# KiCad board zone-controller.kicad_pcb (continued)
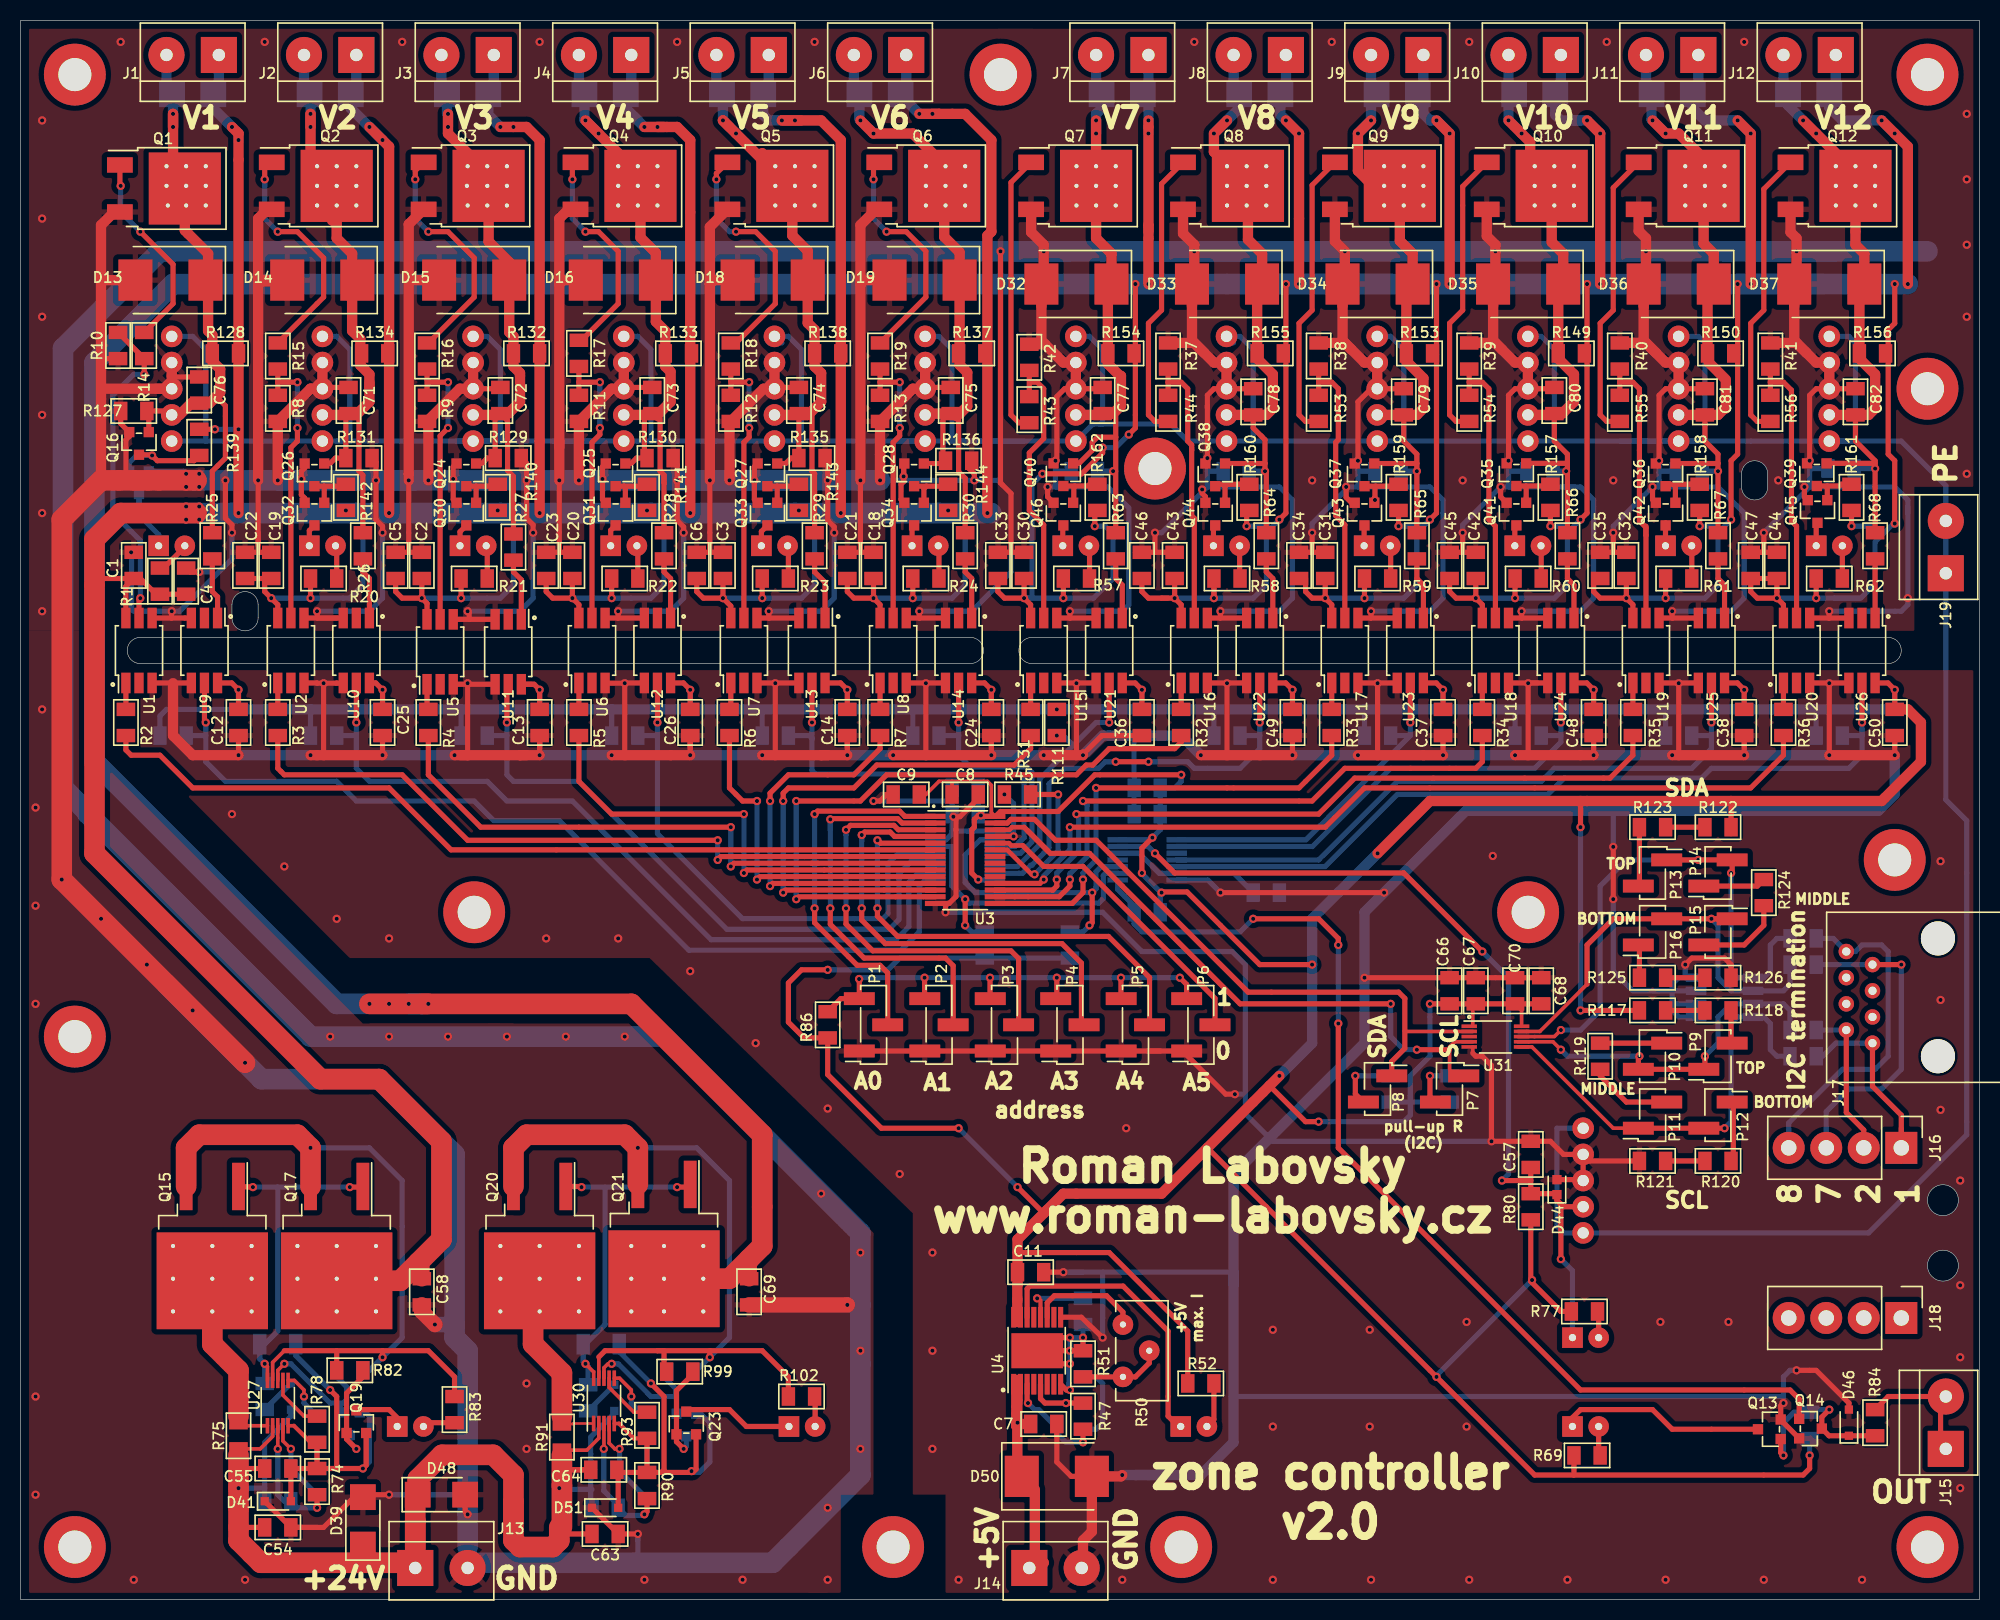
[diagram p0: board, top side]
## Placement (name value [footprint] x y rotation side) (continued)
SW9  -  [SMTS-102-2C2T]  131.59 117.47 90 bottom
SW10  -  [SMTS-102-2C2T]  146.21 117.47 90 bottom
SW11  -  [SMTS-102-2C2T]  160.82 117.47 90 bottom
SW12  -  [SMTS-102-2C2T]  175.44 117.47 90 bottom
SW13  -  [SMTS-102-2C2T]  151.56 40.64 90 bottom
U1  TLP2345  [so_6]  11.48 92.07 90 top
U2  TLP2345  [so_6]  26.21 92.07 90 top
U3  PCA9685PW  [tssop_28]  91.62 71.75 0 top
U4  TPS26600  [htssop_16_6.6mm×5.1mm]  98.61 24.13 90 top
U5  TLP2345  [so_6]  40.69 91.95 90 top
U6  TLP2345  [so_6]  55.42 92.07 90 top
U7  TLP2345  [so_6]  70.16 92.07 90 top
U8  TLP2345  [so_6]  84.64 92.07 90 top
U9  TLP2345  [so_6]  17.83 92.07 270 top
U10  TLP2345  [so_6]  32.56 92.07 270 top
U11  TLP2345  [so_6]  47.3 91.95 270 top
U12  TLP2345  [so_6]  61.77 92.07 270 top
U13  TLP2345  [so_6]  76.76 92.07 270 top
U14  TLP2345  [so_6]  90.98 92.07 270 top
U15  TLP2345  [so_6]  99.24 92.07 90 top
U16  TLP2345  [so_6]  113.84 92.07 90 top
U17  TLP2345  [so_6]  128.45 92.07 90 top
U18  TLP2345  [so_6]  143.06 92.07 90 top
U19  TLP2345  [so_6]  157.66 92.07 90 top
U20  TLP2345  [so_6]  172.26 92.07 90 top
U21  TLP2345  [so_6]  105.59 92.07 270 top
U22  TLP2345  [so_6]  120.2 92.07 270 top
U23  TLP2345  [so_6]  134.8 92.07 270 top
U24  TLP2345  [so_6]  149.4 92.07 270 top
U25  TLP2345  [so_6]  164.01 92.07 270 top
U26  TLP2345  [so_6]  178.61 92.07 270 top
U27  LM5069  [vssop_10]  24.95 19.05 90 top
U28  SN74HCS21QPWRQ1  [tssop_14]  91.62 71.75 0 bottom
U29  SN74HCS21QPWRQ1  [tssop_14]  109.27 71.75 180 bottom
U30  LM5069  [vssop_10]  56.58 19.26 90 top
U31  PCA9615  [tssop_10]  143.06 54.61 0 top
~  ~  [via_pad_0.4x0.8mm]  61.77 137.16 0 top
~#2  ~  [via_pad_0.4x0.8mm]  54.15 34.29 0 top
~#3  ~  [via_pad_0.4x0.8mm]  14.78 34.29 0 top
~#4  ~  [via_pad_0.4x0.8mm]  104.32 139.06 0 top
~#5  ~  [via_pad_0.4x0.8mm]  16.05 135.25 0 top
~#6  ~  [via_pad_0.4x0.8mm]  22.4 34.29 0 top
~#7  ~  [via_pad_0.4x0.8mm]  59.87 137.16 0 top
~#8  ~  [via_pad_0.4x0.8mm]  57.96 137.16 0 top
~#9  ~  [via_pad_0.4x0.8mm]  17.96 139.06 0 top
~#10  ~  [via_pad_0.4x0.8mm]  14.15 139.06 0 top
~#11  ~  [via_pad_0.4x0.8mm]  177.98 139.06 0 top
~#12  ~  [via_pad_0.4x0.8mm]  134.16 135.25 0 top
~#13  ~  [via_pad_0.4x0.8mm]  87.81 139.06 0 top
~#14  ~  [via_pad_0.4x0.8mm]  62.41 31.11 0 top
~#15  ~  [via_pad_0.4x0.8mm]  117.02 137.16 0 top
~#16  ~  [via_pad_0.4x0.8mm]  132.26 137.16 0 top
~#17  ~  [via_pad_0.4x0.8mm]  136.07 135.25 0 top
~#18  ~  [via_pad_0.4x0.8mm]  54.15 27.94 0 top
~#19  ~  [via_pad_0.4x0.8mm]  106.22 135.25 0 top
~#20  ~  [via_pad_0.4x0.8mm]  59.87 139.06 0 top
~#21  ~  [via_pad_0.4x0.8mm]  104.32 137.16 0 top
~#22  ~  [via_pad_0.4x0.8mm]  30.66 137.16 0 top
~#23  ~  [via_pad_0.4x0.8mm]  14.78 31.11 0 top
~#24  ~  [via_pad_0.4x0.8mm]  136.07 139.06 0 top
~#25  ~  [via_pad_0.4x0.8mm]  163.38 139.06 0 top
~#26  ~  [via_pad_0.4x0.8mm]  46.53 34.29 0 top
~#27  ~  [via_pad_0.4x0.8mm]  89.71 139.06 0 top
~#28  ~  [via_pad_0.4x0.8mm]  16.05 139.06 0 top
~#29  ~  [via_pad_0.4x0.8mm]  17.96 137.16 0 top
~#30  ~  [via_pad_0.4x0.8mm]  148.77 135.25 0 top
~#31  ~  [via_pad_0.4x0.8mm]  87.81 137.16 0 top
~#32  ~  [via_pad_0.4x0.8mm]  120.83 139.06 0 top
~#33  ~  [via_pad_0.4x0.8mm]  75.11 139.06 0 top
~#34  ~  [via_pad_0.4x0.8mm]  26.85 31.11 0 top
~#35  ~  [via_pad_0.4x0.8mm]  18.59 31.11 0 top
~#36  ~  [via_pad_0.4x0.8mm]  75.11 135.25 0 top
~#37  ~  [via_pad_0.4x0.8mm]  177.98 137.16 0 top
~#38  ~  [via_pad_0.4x0.8mm]  26.85 27.94 0 top
~#39  ~  [via_pad_0.4x0.8mm]  26.85 34.29 0 top
~#40  ~  [via_pad_0.4x0.8mm]  102.42 135.25 0 top
~#41  ~  [via_pad_0.4x0.8mm]  32.56 137.16 0 top
~#42  ~  [via_pad_0.4x0.8mm]  73.2 139.06 0 top
~#43  ~  [via_pad_0.4x0.8mm]  14.78 27.94 0 top
~#44  ~  [via_pad_0.4x0.8mm]  150.67 135.25 0 top
~#45  ~  [via_pad_0.4x0.8mm]  163.38 137.16 0 top
~#46  ~  [via_pad_0.4x0.8mm]  179.88 137.16 0 top
~#47  ~  [via_pad_0.4x0.8mm]  45.27 137.16 0 top
~#48  ~  [via_pad_0.4x0.8mm]  28.75 139.06 0 top
~#49  ~  [via_pad_0.4x0.8mm]  150.67 137.16 0 top
~#50  ~  [via_pad_0.4x0.8mm]  66.22 34.29 0 top
~#51  ~  [via_pad_0.4x0.8mm]  91.62 135.25 0 top
~#52  ~  [via_pad_0.4x0.8mm]  75.11 137.16 0 top
~#53  ~  [via_pad_0.4x0.8mm]  161.47 137.16 0 top
~#54  ~  [via_pad_0.4x0.8mm]  30.66 27.94 0 top
~#55  ~  [via_pad_0.4x0.8mm]  59.23 34.29 0 top
~#56  ~  [via_pad_0.4x0.8mm]  30.66 135.25 0 top
~#57  ~  [via_pad_0.4x0.8mm]  134.16 139.06 0 top
~#58  ~  [via_pad_0.4x0.8mm]  50.34 31.11 0 top
~#59  ~  [via_pad_0.4x0.8mm]  179.88 135.25 0 top
~#60  ~  [via_pad_0.4x0.8mm]  59.23 27.94 0 top
~#61  ~  [via_pad_0.4x0.8mm]  45.27 135.25 0 top
~#62  ~  [via_pad_0.4x0.8mm]  87.81 135.25 0 top
~#63  ~  [via_pad_0.4x0.8mm]  28.75 137.16 0 top
~#64  ~  [via_pad_0.4x0.8mm]  57.96 135.25 0 top
~#65  ~  [via_pad_0.4x0.8mm]  22.4 31.11 0 top
~#66  ~  [via_pad_0.4x0.8mm]  73.2 135.25 0 top
~#67  ~  [via_pad_0.4x0.8mm]  18.59 34.29 0 top
~#68  ~  [via_pad_0.4x0.8mm]  165.28 139.06 0 top
~#69  ~  [via_pad_0.4x0.8mm]  34.47 27.94 0 top
~#70  ~  [via_pad_0.4x0.8mm]  30.66 139.06 0 top
~#71  ~  [via_pad_0.4x0.8mm]  30.66 31.11 0 top
~#72  ~  [via_pad_0.4x0.8mm]  148.77 137.16 0 top
~#73  ~  [via_pad_0.4x0.8mm]  146.86 139.06 0 top
~#74  ~  [via_pad_0.4x0.8mm]  77.02 139.06 0 top
~#75  ~  [via_pad_0.4x0.8mm]  47.17 135.25 0 top
~#76  ~  [via_pad_0.4x0.8mm]  45.27 139.06 0 top
~#77  ~  [via_pad_0.4x0.8mm]  59.87 135.25 0 top
~#78  ~  [via_pad_0.4x0.8mm]  17.96 135.25 0 top
~#79  ~  [via_pad_0.4x0.8mm]  102.42 137.16 0 top
~#80  ~  [via_pad_0.4x0.8mm]  50.34 34.29 0 top
~#81  ~  [via_pad_0.4x0.8mm]  118.92 137.16 0 top
~#82  ~  [via_pad_0.4x0.8mm]  62.41 27.94 0 top
~#83  ~  [via_pad_0.4x0.8mm]  66.22 31.11 0 top
~#84  ~  [via_pad_0.4x0.8mm]  120.83 137.16 0 top
~#85  ~  [via_pad_0.4x0.8mm]  179.88 139.06 0 top
~#86  ~  [via_pad_0.4x0.8mm]  150.67 139.06 0 top
~#87  ~  [via_pad_0.4x0.8mm]  73.2 137.16 0 top
~#88  ~  [via_pad_0.4x0.8mm]  106.22 139.06 0 top
~#89  ~  [via_pad_0.4x0.8mm]  43.36 139.06 0 top
~#90  ~  [via_pad_0.4x0.8mm]  176.07 139.06 0 top
~#91  ~  [via_pad_0.4x0.8mm]  134.16 137.16 0 top
~#92  ~  [via_pad_0.4x0.8mm]  176.07 135.25 0 top
~#93  ~  [via_pad_0.4x0.8mm]  14.28 135.25 0 top
~#94  ~  [via_pad_0.4x0.8mm]  165.28 137.16 0 top
~#95  ~  [via_pad_0.4x0.8mm]  146.86 135.25 0 top
~#96  ~  [via_pad_0.4x0.8mm]  132.26 135.25 0 top
~#97  ~  [via_pad_0.4x0.8mm]  104.32 135.25 0 top
~#98  ~  [via_pad_0.4x0.8mm]  117.02 139.06 0 top
~#99  ~  [via_pad_0.4x0.8mm]  106.22 137.16 0 top
~#100  ~  [via_pad_0.4x0.8mm]  18.59 27.94 0 top
~#101  ~  [via_pad_0.4x0.8mm]  34.47 34.29 0 top
~#102  ~  [via_pad_0.4x0.8mm]  89.71 137.16 0 top
~#103  ~  [via_pad_0.4x0.8mm]  32.56 135.25 0 top
~#104  ~  [via_pad_0.4x0.8mm]  102.42 139.06 0 top
~#105  ~  [via_pad_0.4x0.8mm]  32.56 139.06 0 top
~#106  ~  [via_pad_0.4x0.8mm]  77.02 137.16 0 top
~#107  ~  [via_pad_0.4x0.8mm]  177.98 135.25 0 top
~#108  ~  [via_pad_0.4x0.8mm]  146.86 137.16 0 top
~#109  ~  [via_pad_0.4x0.8mm]  46.53 27.94 0 top
~#110  ~  [via_pad_0.4x0.8mm]  43.36 135.25 0 top
~#111  ~  [via_pad_0.4x0.8mm]  120.83 135.25 0 top
~#112  ~  [via_pad_0.4x0.8mm]  30.66 34.29 0 top
~#113  ~  [via_pad_0.4x0.8mm]  77.02 135.25 0 top
~#114  ~  [via_pad_0.4x0.8mm]  136.07 137.16 0 top
~#115  ~  [via_pad_0.4x0.8mm]  54.15 31.11 0 top
~#116  ~  [via_pad_0.4x0.8mm]  176.07 137.16 0 top
~#117  ~  [via_pad_0.4x0.8mm]  163.38 135.25 0 top
~#118  ~  [via_pad_0.4x0.8mm]  161.47 135.25 0 top
~#119  ~  [via_pad_0.4x0.8mm]  61.77 135.25 0 top
~#120  ~  [via_pad_0.4x0.8mm]  118.92 139.06 0 top
~#121  ~  [via_pad_0.4x0.8mm]  132.26 139.06 0 top
~#122  ~  [via_pad_0.4x0.8mm]  50.34 27.94 0 top
~#123  ~  [via_pad_0.4x0.8mm]  57.96 139.06 0 top
~#124  ~  [via_pad_0.4x0.8mm]  46.53 31.11 0 top
~#125  ~  [via_pad_0.4x0.8mm]  43.29 137.16 0 top
~#126  ~  [via_pad_0.4x0.8mm]  47.17 139.06 0 top
~#127  ~  [via_pad_0.4x0.8mm]  16.05 137.16 0 top
~#128  ~  [via_pad_0.4x0.8mm]  66.22 27.94 0 top
~#129  ~  [via_pad_0.4x0.8mm]  91.62 139.06 0 top
~#130  ~  [via_pad_0.4x0.8mm]  165.28 135.25 0 top
~#131  ~  [via_pad_0.4x0.8mm]  118.92 135.25 0 top
~#132  ~  [via_pad_0.4x0.8mm]  47.17 137.16 0 top
~#133  ~  [via_pad_0.4x0.8mm]  117.02 135.25 0 top
~#134  ~  [via_pad_0.4x0.8mm]  34.47 31.11 0 top
~#135  ~  [via_pad_0.4x0.8mm]  89.71 135.25 0 top
~#136  ~  [via_pad_0.4x0.8mm]  161.47 139.06 0 top
~#137  ~  [via_pad_0.4x0.8mm]  59.23 31.11 0 top
~#138  ~  [via_pad_0.4x0.8mm]  148.77 139.06 0 top
~#139  ~  [via_pad_0.4x0.8mm]  62.41 34.29 0 top
~#140  ~  [via_pad_0.4x0.8mm]  22.4 27.94 0 top
~#141  ~  [via_pad_0.4x0.8mm]  14.15 137.16 0 top
~#142  ~  [via_pad_0.4x0.8mm]  28.75 135.25 0 top
~#143  ~  [via_pad_0.4x0.8mm]  61.77 139.06 0 top
~#144  ~  [via_pad_0.4x0.8mm]  91.62 137.16 0 top

## Library data of the parts
C1-C82 = -: Description: Unpolarized capacitor. Size 1206.
D1 D8-D12 D26-D31 D38 D42 = -: Description: Light emitting diode. Green color. Cylindrical with flange type.
D2-D7 D20-D25 = -: Description: Schottky diode.
D13-D16 D18 D19 D32-D37 D44 D46 = -: Description: Unidirectional transil diode.
D17 D45 D54 = -: Description: Template. Light emitting diode. Red color. Cylindrical with flange type.
D39 D48 D50 = -: Description: Template. Bidirectional transil diode.
D40 D41 D49 D51 = -: Description: Rectifier diode. DC Components.
D43 D53 = -: Description: Templeate Zener diode
D52 = -: Description: Bi-directional ESD Protection for High-Speed Data Line.
H1-H13 = -: Description: Mounting hole with connection. Size 3.2x6 mm.
J1-J15 J19 = -: Description: Template. 1x2 screw terminal block.
J16 J18 = -: Description: IDC LSA connector 1x4
J17 = -: Description: Template. RJ45 connector, (8 positions 8 connected).
P1-P6 = -: Description: 1x3 pin header
P7-P16 = -: Description: Template. 1x2 pin header.
Q1-Q46 = -: Description: Mosfet n-channel.
R1-R49 R51-R162 = -: Description: Resistor. US symbol. Size 1206.
R50 = -: Description: Varaible resistor. US symbol.; Manufacturer: Vishay
SW1-SW13 = -: Description: Switch
U1 U2 U5-U26 = -: Description: Optocoupler TLP2345
U3 = -: Description: 16-channel 12-bit PWM Fm+ I2C-bus LED controller RGBA TSSOP
U4 = -: Description: eFuse with integrated reverse input polarity protection; Manufacturer: Texas Instruments
U27 U30 = -: Description: Positive High-Voltage Hot Swap and In-Rush Current Controller
U28 U29 = -: Description: Automotive dual 4-input AND gates with Schmitt-trigger inputs; Manufacturer: Texas Instruments
U31 = -: Description: 2-channel multipoint Fast-mode Plus differential I2C-bus buffer; Manufacturer: NXP Semiconductors

## Footprints (pads in the part's own frame, mm; a bottom-side part is the same pattern mirrored in y, then rotated)
1x2_pin_header_2.54mm_vertical
  rect 1.25x3 smd: 1(-1.27,1.375) 2(1.27,-1.375)
1x3_pin_header_2.54mm_vertical
  rect 1.25x3 smd: 1(-2.54,1.375) 2(0,-1.375) 3(2.54,1.375)
1x4_idc_lsa_connector_general
  rect 3.1x3.1 hole 1.5: 1(0,0)
  oval 3.1x3.1 hole 1.5: 2(0,-3.64) 3(0,-7.28) 4(0,-10.92)
54601-908WPLF
  round 3.3 hole 3.3 unplated: (-5.716,0) (5.716,0)
  round 1.5 hole 0.8: 1(-4.444,6.35) 2(-3.174,8.89) 3(-1.904,6.35) 4(-0.634,8.89) 5(0.636,6.35) 6(1.906,8.89) 7(3.176,6.35) 8(4.446,8.89)
c_1206
  trapezoid 1.3x1.8 smd: 1(-1.27,0) 2(1.27,0)
EBBA-02-C-SS-BU
  rect 3.5x3.5 hole 1.2: 1(-2.54,0)
  round 3.5 hole 1.2: 2(2.54,0)
htssop_16_6.6mm×5.1mm
  rect 0.88x1.05 smd: (-1.133,1.875) (-1.133,0.625) (-1.133,-0.625) (-1.133,-1.875) (0,1.875) (0,0.625) (0,-0.625) (0,-1.875) (1.133,1.875) (1.133,0.625) (1.133,-0.625) (1.133,-1.875)
  rect 2x0.5 smd: 1(-3.25,2.275) 2(-3.25,1.625) 3(-3.25,0.975) 4(-3.25,0.325) 5(-3.25,-0.325) 6(-3.25,-0.975) 7(-3.25,-1.625) 8(-3.25,-2.275) 9(3.25,-2.275) 10(3.25,-1.625) 11(3.25,-0.975) 12(3.25,-0.325) 13(3.25,0.325) 14(3.25,0.975) 15(3.25,1.625) 16(3.25,2.275)
  rect 3.4x5 smd: 17(0,0)
led_d5mm_2.54mm
  rect 2x2 hole 0.7: 1(-1.27,0)
  round 2 hole 0.7: 2(1.27,0)
minimelf_sod_80
  rect 1.3x2 smd: 1(-1.75,0) 2(1.75,0)
mounting_hole_pad_3.2x6mm
  round 6 hole 3.2: 1(0,0)
r_1206
  trapezoid 1.3x1.8 smd: 1(-1.27,0) 2(1.27,0)
sma
  rect 2.5x2.5 smd: 1(-2,0) 2(2,0)
smb
  rect 2.5x2.5 smd: 1(-2.3,0) 2(2.3,0)
smc
  rect 3.3x4 smd: 1(-3.4,0) 2(3.4,0)
SMTS-102-2C2T
  round 2.1 hole 1.1: 1(-5.08,0) 2(-2.54,0) 3(0,0) 4(2.54,0) 5(5.08,0)
so_6
  rect 2x0.9 smd: 1(-3.15,1.27) 2(-3.15,0) 3(-3.15,-1.27) 4(3.15,-1.27) 5(3.15,0) 6(3.15,1.27)
sod_323
  rect 0.8x0.8 smd: 1(-1.27,0) 2(1.27,0)
sod_523
  rect 0.9x0.9 smd: 1(-0.725,0) 2(0.725,0)
soic_8_3.9mmx4.9mm
  rect 2x0.8 smd: 1(-2.76,1.905) 2(-2.76,0.635) 3(-2.76,-0.635) 4(-2.76,-1.905) 5(2.76,-1.905) 6(2.76,-0.635) 7(2.76,0.635) 8(2.76,1.905)
sot_23
  rect 1x1 smd: 1(-1,0.95) 2(-1,-0.95) 3(1.2,0)
T93YB
  round 2 hole 0.6: 1(2.54,-1.841) 2(0,0.711) 3(-2.54,-1.841)
to_252_2
  rect 3.05x2.75 smd: (0.425,1.525) (0.425,-1.525) (3.775,1.525) (3.775,-1.525)
  rect 2.5x1.5 smd: 1(-4.2,2.28) 2(-4.2,-2.28)
  rect 7x7 smd: 3(2.1,0)
to_263_2
  rect 4.55x5.25 smd: (0.95,2.775) (0.95,-2.775) (5.8,2.775) (5.8,-2.775)
  rect 4.6x1.25 smd: 1(-5.775,2.54) 2(-5.775,-2.54)
  rect 9.4x10.8 smd: 3(3.375,0)
tssop_10
  rect 1.5x0.35 smd: 1(-2.54,1) 2(-2.54,0.5) 3(-2.54,0) 4(-2.54,-0.5) 5(-2.54,-1) 6(2.54,-1) 7(2.54,-0.5) 8(2.54,0) 9(2.54,0.5) 10(2.54,1)
tssop_14
  rect 2x0.5 smd: 1(-2.862,1.95) 2(-2.862,1.3) 3(-2.862,0.65) 4(-2.862,0) 5(-2.862,-0.65) 6(-2.862,-1.3) 8(2.862,-1.95) 9(2.862,-1.3) 10(2.862,-0.65) 11(2.862,0) 12(2.862,0.65) 13(2.862,1.3) 14(2.862,1.95)
  trapezoid 2x0.5 smd: 7(-2.862,-1.95)
tssop_28
  rect 2x0.5 smd: 1(-2.902,4.225) 2(-2.902,3.575) 3(-2.902,2.925) 4(-2.902,2.275) 5(-2.902,1.625) 6(-2.902,0.975) 7(-2.902,0.325) 8(-2.902,-0.325) 9(-2.902,-0.975) 10(-2.902,-1.625) 11(-2.902,-2.275) 12(-2.902,-2.925) 13(-2.902,-3.575) 14(-2.902,-4.225) 15(2.902,-4.225) 16(2.902,-3.575) 17(2.902,-2.925) 18(2.902,-2.275) 19(2.902,-1.625) 20(2.902,-0.975) 21(2.902,-0.325) 22(2.902,0.325) 23(2.902,0.975) 24(2.902,1.625) 25(2.902,2.275) 26(2.902,2.925) 27(2.902,3.575) 28(2.902,4.225)
via_pad_0.4x0.8mm
  round 0.8 hole 0.4: (0,0)
vssop_10
  rect 1.5x0.35 smd: 1(-2.2,1) 2(-2.2,0.5) 3(-2.2,0) 4(-2.2,-0.5) 5(-2.2,-1) 6(2.2,-1) 7(2.2,-0.5) 8(2.2,0) 9(2.2,0.5) 10(2.2,1)

## Nets
+5V: C8.1 C9.1 C11.1 C12.1 C13.1 C14.1 C15.1 C16.1 C17.1 C24.1 C25.1 C26.1 C27.1 C28.1 C29.1 C36.1 C37.1 C38.1 C39.1 C40.1 C41.1 C48.1 C49.1 C50.1 C51.1 C52.1 C53.1 C59.2 C60.2 C61.2 C62.2 C66.1 C67.1 C68.1 C70.1 R52.1 R69.1 R72.1 R77.1 R79.1 R80.1 R85.1 R86.1 R100.1 R101.1 R103.1 R104.1 R105.1 R106.1 R107.1 R108.1 R109.1 R110.1 R111.1 R112.1 R113.1 R114.1 R115.1 R116.1 R117.1 R122.1 U3.28 U4.15 U4.16 U9.6 U10.6 U11.6 U12.6 U13.6 U14.6 U21.6 U22.6 U23.6 U24.6 U25.6 U26.6 U28.14 U29.14 U31.1 U31.10
+24V_A: C1.1 C2.1 C3.1 C4.1 C5.1 C6.1 C18.1 C19.1 C20.1 C21.1 C22.1 C23.1 C58.1 D2.1 D3.1 D4.1 D5.1 D6.1 D7.1 J1.1 J2.1 J3.1 J4.1 J5.1 J6.1 Q17.3 R1.1 R20.1 R21.1 R22.1 R23.1 R24.1 R128.1 R132.1 R133.1 R134.1 R137.1 R138.1 R139.1 R140.1 R141.1 R142.1 R143.1 R144.1 U1.6 U2.6 U5.6 U6.6 U7.6 U8.6 ~#34. ~#38. ~#39. ~#54. ~#69. ~#71. ~#101. ~#112. ~#134.
+24V_B: C30.1 C31.1 C32.1 C33.1 C34.1 C35.1 C42.1 C43.1 C44.1 C45.1 C46.1 C47.1 C69.1 D20.1 D21.1 D22.1 D23.1 D24.1 D25.1 J7.1 J8.1 J9.1 J10.1 J11.1 J12.1 Q21.3 R57.1 R58.1 R59.1 R60.1 R61.1 R62.1 R149.1 R150.1 R153.1 R154.1 R155.1 R156.1 R157.1 R158.1 R159.1 R160.1 R161.1 R162.1 U15.6 U16.6 U17.6 U18.6 U19.6 U20.6 ~#14. ~#50. ~#55. ~#60. ~#82. ~#83. ~#128. ~#137. ~#139.
GND: C7.2 C8.2 C9.2 C11.2 C12.2 C13.2 C14.2 C15.2 C16.2 C17.2 C24.2 C25.2 C26.2 C27.2 C28.2 C29.2 C36.2 C37.2 C38.2 C39.2 C40.2 C41.2 C48.2 C49.2 C50.2 C51.2 C52.2 C53.2 C57.2 C59.1 C60.1 C61.1 C62.1 C66.2 C67.2 C68.2 C70.2 D44.2 D46.2 D50.2 D52.5 D52.6 D52.7 D52.8 J14.2 P1.1 P2.1 P3.1 P4.1 P5.1 P6.1 Q13.2 Q14.2 R45.2 R121.2 R126.2 SW13.3 SW13.4 U1.3 U2.3 U3.14 U3.25 U4.9 U5.3 U6.3 U7.3 U8.3 U9.4 U10.4 U11.4 U12.4 U13.4 U14.4 U15.3 U16.3 U17.3 U18.3 U19.3 U20.3 U21.4 U22.4 U23.4 U24.4 U25.4 U26.4 U28.7 U29.7 U31.5
GND1: C55.1 C56.2 D41.2 D43.2 Q18.2 Q19.2 R71.2 R74.2 R78.2 U27.5
GND2: C64.1 C65.2 D51.2 D53.2 Q22.2 Q23.2 R88.2 R90.2 R93.2 U30.5
GND_A: C1.2 C2.2 C3.2 C4.2 C5.2 C6.2 C18.2 C19.2 C20.2 C21.2 C22.2 C23.2 C30.2 C31.2 C32.2 C33.2 C34.2 C35.2 C42.2 C43.2 C44.2 C45.2 C46.2 C47.2 C54.2 C58.2 C63.2 C69.2 C71.1 C72.1 C73.1 C74.1 C75.1 C76.1 C77.1 C78.1 C79.1 C80.1 C81.1 C82.1 D13.2 D14.2 D15.2 D16.2 D18.2 D19.2 D32.2 D33.2 D34.2 D35.2 D36.2 D37.2 D39.2 D41.1 D48.2 D51.1 J13.2 Q1.2 Q2.2 Q3.2 Q4.2 Q5.2 Q6.2 Q7.2 Q8.2 Q9.2 Q10.2 Q11.2 Q12.2 Q16.2 Q24.2 Q25.2 Q26.2 Q27.2 Q28.2 Q29.2 Q30.2 Q31.2 Q32.2 Q33.2 Q34.2 Q35.2 Q36.2 Q37.2 Q38.2 Q39.2 Q40.2 Q41.2 Q42.2 Q43.2 Q44.2 Q45.2 Q46.2 R8.2 R9.2 R10.2 R11.2 R12.2 R13.2 R37.2 R38.2 R39.2 R40.2 R41.2 R42.2 R127.2 R129.2 R130.2 R131.2 R135.2 R136.2 R145.2 R146.2 R147.2 R148.2 R151.2 R152.2 SW1.3 SW1.4 SW2.3 SW2.4 SW3.3 SW3.4 SW4.3 SW4.4 SW5.3 SW5.4 SW6.3 SW6.4 SW7.3 SW7.4 SW8.3 SW8.4 SW9.3 SW9.4 SW10.3 SW10.4 SW11.3 SW11.4 SW12.3 SW12.4 U1.4 U2.4 U5.4 U6.4 U7.4 U8.4 U9.3 U10.3 U11.3 U12.3 U13.3 U14.3 U15.4 U16.4 U17.4 U18.4 U19.4 U20.4 U21.3 U22.3 U23.3 U24.3 U25.3 U26.3
/A0: P1.2 U3.1
/A1: P2.2 U3.2
/A2: P3.2 U3.3
/A3: P4.2 U3.4
/A4: P5.2 U3.5
/A5: P6.2 U3.24
/AND_OUT_0_3: R105.2 U28.6 U29.9
/AND_OUT_4_7: R109.2 U28.8 U29.10
/AND_OUT_8_11: R113.2 U29.6 U29.12
/AND_OUT_PUMP: Q14.1 R85.2 U29.8
/Differential I2C bus/DSCL_N: D52.4 P11.1 P12.2 R97.2 U31.6
/Differential I2C bus/DSCL_N_CON: J16.1 J17.1 R97.1
/Differential I2C bus/DSCL_P: D52.3 P9.1 P10.2 R96.2 U31.7
/Differential I2C bus/DSCL_P_CON: J16.2 J17.2 R96.1
/Differential I2C bus/DSDA_N: D52.2 P15.1 P16.2 R95.2 U31.9
/Differential I2C bus/DSDA_N_CON: J16.3 J17.7 R95.1
/Differential I2C bus/DSDA_P: D52.1 P13.1 P14.2 R94.2 U31.8
/Differential I2C bus/DSDA_P_CON: J16.4 J17.8 R94.1
/Power supply/INPUT_24V: C54.1 C55.2 C63.1 C64.2 D39.1 D40.1 D48.1 D49.1 J13.1 R70.1 R73.1 R75.2 R87.1 R89.1 R91.2 U27.2 U30.2
/PUMP_ACTIVE_0: D46.1 Q13.1 Q14.3 R72.2 R84.2
/PUMP_SWITCH: C57.1 D42.1 D44.1 R80.2 SW13.2 U29.13
Earth_Protective: J19.1 J19.2 SW1.1 SW1.5 SW2.1 SW2.5 SW3.1 SW3.5 SW4.1 SW4.5 SW5.1 SW5.5 SW6.1 SW6.5 SW7.1 SW7.5 SW8.1 SW8.5 SW9.1 SW9.5 SW10.1 SW10.5 SW11.1 SW11.5 SW12.1 SW12.5 SW13.1 SW13.5
LED0_IN: R2.2 U3.6
LED0_IN_24V: R10.1 R14.2 U1.5
LED0_OUT_5V: R79.2 U9.5 U28.1
LED0_OUT_24V: C76.2 D2.2 D13.1 J1.2 Q1.3 Q16.1 R25.2 R127.1 R128.2 SW1.2 ~#5. ~#9. ~#10. ~#28. ~#29. ~#78. ~#93. ~#127. ~#141.
LED1_IN: R3.2 U3.7
LED1_IN_24V: R8.1 R15.2 U2.5
LED1_OUT_5V: R106.2 U10.5 U28.2
LED1_OUT_24V: C71.2 D3.2 D14.1 J2.2 Q2.3 Q26.1 R26.2 R131.1 R134.2 SW2.2 ~#22. ~#41. ~#48. ~#56. ~#63. ~#70. ~#103. ~#105. ~#142.
LED2_IN: R4.2 U3.8
LED2_IN_24V: R9.1 R16.2 U5.5
LED2_OUT_5V: R110.2 U11.5 U28.4
LED2_OUT_24V: C72.2 D4.2 D15.1 J3.2 Q3.3 Q24.1 R27.2 R129.1 R132.2 SW3.2 ~#47. ~#61. ~#75. ~#76. ~#89. ~#110. ~#125. ~#126. ~#132.
LED3_IN: R5.2 U3.9
LED3_IN_24V: R11.1 R17.2 U6.5
LED3_OUT_5V: R114.2 U12.5 U28.5
LED3_OUT_24V: C73.2 D5.2 D16.1 J4.2 Q4.3 Q25.1 R28.2 R130.1 R133.2 SW4.2 ~. ~#7. ~#8. ~#20. ~#64. ~#77. ~#119. ~#123. ~#143.
LED4_IN: R6.2 U3.10
LED4_IN_24V: R12.1 R18.2 U7.5
LED4_OUT_5V: R103.2 U13.5 U28.9
LED4_OUT_24V: C74.2 D6.2 D18.1 J5.2 Q5.3 Q27.1 R29.2 R135.1 R138.2 SW5.2 ~#33. ~#36. ~#42. ~#52. ~#66. ~#74. ~#87. ~#106. ~#113.
LED5_IN: R7.2 U3.11
LED5_IN_24V: R13.1 R19.2 U8.5
LED5_OUT_5V: R107.2 U14.5 U28.10
LED5_OUT_24V: C75.2 D7.2 D19.1 J6.2 Q6.3 Q28.1 R30.2 R136.1 R137.2 SW6.2 ~#13. ~#27. ~#31. ~#51. ~#62. ~#102. ~#129. ~#135. ~#144.
LED6_IN: R31.2 U3.12
LED6_IN_24V: R42.1 R43.2 U15.5
LED6_OUT_5V: R111.2 U21.5 U28.12
LED6_OUT_24V: C77.2 D20.2 D32.1 J7.2 Q7.3 Q40.1 R63.2 R152.1 R154.2 SW7.2 ~#4. ~#19. ~#21. ~#40. ~#79. ~#88. ~#97. ~#99. ~#104.
LED7_IN: R32.2 U3.13
LED7_IN_24V: R37.1 R44.2 U16.5
LED7_OUT_5V: R115.2 U22.5 U28.13
LED7_OUT_24V: C78.2 D21.2 D33.1 J8.2 Q8.3 Q38.1 R64.2 R148.1 R155.2 SW8.2 ~#15. ~#32. ~#81. ~#84. ~#98. ~#111. ~#120. ~#131. ~#133.
LED8_IN: R33.2 U3.15
LED8_IN_24V: R38.1 R53.2 U17.5
LED8_OUT_5V: R104.2 U23.5 U29.1
LED8_OUT_24V: C79.2 D22.2 D34.1 J9.2 Q9.3 Q37.1 R65.2 R147.1 R153.2 SW9.2 ~#12. ~#16. ~#17. ~#24. ~#57. ~#91. ~#96. ~#114. ~#121.
LED9_IN: R34.2 U3.16
LED9_IN_24V: R39.1 R54.2 U18.5
LED9_OUT_5V: R108.2 U24.5 U29.2
LED9_OUT_24V: C80.2 D23.2 D35.1 J10.2 Q10.3 Q35.1 R66.2 R145.1 R149.2 SW10.2 ~#30. ~#44. ~#49. ~#72. ~#73. ~#86. ~#95. ~#108. ~#138.
LED10_IN: R35.2 U3.17
LED10_IN_24V: R40.1 R55.2 U19.5
LED10_OUT_5V: R112.2 U25.5 U29.4
LED10_OUT_24V: C81.2 D24.2 D36.1 J11.2 Q11.3 Q36.1 R67.2 R146.1 R150.2 SW11.2 ~#25. ~#45. ~#53. ~#68. ~#94. ~#117. ~#118. ~#130. ~#136.
LED11_IN: R36.2 U3.18
LED11_IN_24V: R41.1 R56.2 U20.5
LED11_OUT_5V: R116.2 U26.5 U29.5
LED11_OUT_24V: C82.2 D25.2 D37.1 J12.2 Q12.3 Q39.1 R68.2 R151.1 R156.2 SW12.2 ~#11. ~#37. ~#46. ~#59. ~#85. ~#90. ~#92. ~#107. ~#116.
SCL: P7.1 U3.26 U31.4
SDA: P8.1 U3.27 U31.2
Net-(D1-A): D1.2 R1.2
Net-(D1-K): D1.1 Q29.3
Net-(D8-A): D8.2 R20.2
Net-(D8-K): D8.1 Q32.3
Net-(D9-A): D9.2 R21.2
Net-(D9-K): D9.1 Q30.3
Net-(D10-A): D10.2 R22.2
Net-(D10-K): D10.1 Q31.3
Net-(D11-A): D11.2 R23.2
Net-(D11-K): D11.1 Q33.3
Net-(D12-A): D12.2 R24.2
Net-(D12-K): D12.1 Q34.3
Net-(D17-A): D17.2 R52.2
Net-(D17-K): D17.1 U4.14
Net-(D26-A): D26.2 R57.2
Net-(D26-K): D26.1 Q46.3
Net-(D27-A): D27.2 R58.2
Net-(D27-K): D27.1 Q44.3
Net-(D28-A): D28.2 R59.2
Net-(D28-K): D28.1 Q43.3
Net-(D29-A): D29.2 R60.2
Net-(D29-K): D29.1 Q41.3
Net-(D30-A): D30.2 R61.2
Net-(D30-K): D30.1 Q42.3
Net-(D31-A): D31.2 R62.2
Net-(D31-K): D31.1 Q45.3
Net-(D38-A): D38.2 R69.2
Net-(D38-K): D38.1 Q13.3
Net-(D40-A): D40.2 R76.2
Net-(D42-A): D42.2 R77.2
Net-(D43-K): D43.1 Q15.1 Q17.1 R76.1 U27.10
Net-(D45-A): D45.2 R83.2
Net-(D45-K): D45.1 Q19.3
Net-(D49-A): D49.2 R92.2
Net-(D50-A1): C7.1 D50.1 J14.1 R46.1 U4.1 U4.2
Net-(D53-K): D53.1 Q20.1 Q21.1 R92.1 U30.10
Net-(D54-A): D54.2 R102.2
Net-(D54-K): D54.1 Q23.3
Net-(J15-Pad1): J15.1 J15.2 R84.1
Net-(P1-Pad3): P1.3 P2.3 P3.3 P4.3 P5.3 P6.3 R86.2
Net-(P7-Pad2): P7.2 R100.2
Net-(P8-Pad2): P8.2 R101.2
Net-(P9-Pad2): P9.2 R118.2
Net-(P10-Pad1): P10.1 R119.1
Net-(P11-Pad2): P11.2 R119.2
Net-(P12-Pad1): P12.1 R120.1
Net-(P13-Pad2): P13.2 R123.2
Net-(P14-Pad1): P14.1 R124.1
Net-(P15-Pad2): P15.2 R124.2
Net-(P16-Pad1): P16.1 R125.1
Net-(Q1-G): Q1.1 R14.1
Net-(Q2-G): Q2.1 R15.1
Net-(Q3-G): Q3.1 R16.1
Net-(Q4-G): Q4.1 R17.1
Net-(Q5-G): Q5.1 R18.1
Net-(Q6-G): Q6.1 R19.1
Net-(Q7-G): Q7.1 R43.1
Net-(Q8-G): Q8.1 R44.1
Net-(Q9-G): Q9.1 R53.1
Net-(Q10-G): Q10.1 R54.1
Net-(Q11-G): Q11.1 R55.1
Net-(Q12-G): Q12.1 R56.1
Net-(Q15-D): Q15.3 R75.1 U27.1 ~#3. ~#6. ~#23. ~#35. ~#43. ~#65. ~#67. ~#100. ~#140.
Net-(Q15-S): Q15.2 Q17.2 R81.1 R82.1 R83.1 U27.9
Net-(Q16-D): Q16.3 Q29.1 R139.2
Net-(Q18-D): Q18.3 Q19.1 R82.2
Net-(Q18-G): Q18.1 R81.2 U27.8
Net-(Q20-D): Q20.3 R91.1 U30.1 ~#2. ~#18. ~#26. ~#58. ~#80. ~#109. ~#115. ~#122. ~#124.
Net-(Q20-S): Q20.2 Q21.2 R98.1 R99.1 R102.1 U30.9
Net-(Q22-D): Q22.3 Q23.1 R99.2
Net-(Q22-G): Q22.1 R98.2 U30.8
Net-(Q24-D): Q24.3 Q30.1 R140.2
Net-(Q25-D): Q25.3 Q31.1 R141.2
Net-(Q26-D): Q26.3 Q32.1 R142.2
Net-(Q27-D): Q27.3 Q33.1 R143.2
Net-(Q28-D): Q28.3 Q34.1 R144.2
Net-(Q35-D): Q35.3 Q41.1 R157.2
Net-(Q36-D): Q36.3 Q42.1 R158.2
Net-(Q37-D): Q37.3 Q43.1 R159.2
Net-(Q38-D): Q38.3 Q44.1 R160.2
Net-(Q39-D): Q39.3 Q45.1 R161.2
Net-(Q40-D): Q40.3 Q46.1 R162.2
Net-(R48-Pad2): R48.2 R49.1
Net-(R50-Pad1): R50.1 R50.2 R51.2
Net-(R117-Pad2): R117.2 R118.1
Net-(R120-Pad2): R120.2 R121.1
Net-(R122-Pad2): R122.2 R123.1
Net-(R125-Pad2): R125.2 R126.1
Net-(U1-A): R2.1 U1.1
Net-(U2-A): R3.1 U2.1
Net-(U3-~{OE}): R45.1 U3.23
Net-(U4-dVdT): C10.1 U4.12
Net-(U4-ILIM): R50.3 U4.11
Net-(U4-OVP): R47.2 R48.1 U4.5
Net-(U4-PowerPad): C10.2 R49.2 R51.1 U4.8 U4.17
Net-(U4-UVLO): R46.2 R47.1 U4.3
Net-(U5-A): R4.1 U5.1
Net-(U6-A): R5.1 U6.1
Net-(U7-A): R6.1 U7.1
Net-(U8-A): R7.1 U8.1
Net-(U9-A): R25.1 U9.1
Net-(U10-A): R26.1 U10.1
Net-(U11-A): R27.1 U11.1
Net-(U12-A): R28.1 U12.1
Net-(U13-A): R29.1 U13.1
Net-(U14-A): R30.1 U14.1
Net-(U15-A): R31.1 U15.1
Net-(U16-A): R32.1 U16.1
Net-(U17-A): R33.1 U17.1
Net-(U18-A): R34.1 U18.1
Net-(U19-A): R35.1 U19.1
Net-(U20-A): R36.1 U20.1
Net-(U21-A): R63.1 U21.1
Net-(U22-A): R64.1 U22.1
Net-(U23-A): R65.1 U23.1
Net-(U24-A): R66.1 U24.1
Net-(U25-A): R67.1 U25.1
Net-(U26-A): R68.1 U26.1
Net-(U27-OVLO): R70.2 R71.1 U27.4
Net-(U27-PWR): R78.1 U27.7
Net-(U27-TIMER): C56.1 U27.6
Net-(U27-UVLO/EN): R73.2 R74.1 U27.3
Net-(U30-OVLO): R87.2 R88.1 U30.4
Net-(U30-PWR): R93.1 U30.7
Net-(U30-TIMER): C65.1 U30.6
Net-(U30-UVLO/EN): R89.2 R90.1 U30.3

Pads without a net: H1 1; H2 1; H3 1; H4 1; H5 1; H6 1; H7 1; H8 1; H9 1; H10 1; H11 1; H12 1; H13 1; J17 3 4 5 6; J18 1 2 3 4; U1 2; U2 2; U3 19 20 21 22; U4 4 6 7 10 13; U5 2; U6 2; U7 2; U8 2; U9 2; U10 2; U11 2; U12 2; U13 2; U14 2; U15 2; U16 2; U17 2; U18 2; U19 2; U20 2; U21 2; U22 2; U23 2; U24 2; U25 2; U26 2; U28 3 11; U29 3 11; U31 3

## Via types
v1: diameter 0.8, hole 0.4, Top to Bottom, 520 vias

## Routing (per net, layer and track width the routed paths; a pad name or vN(x,y) marks a point on that pad's centre or on a via; arc(x,y) is an arc through that point)
+5V: length 899.2
  Top w0.25: 145.25,57.49 C70.1 ; 140.85,57.49 C67.1
  Top w0.35: 90.35,79.38 93.39,79.38 93.4,79.38 93.78,79.38 94.16,78.99 94.16,76.34 U3.28 ; 90.35,79.38 89.09,79.38 87.81,78.1 C9.1 ; 90.35,79.38 C8.1 ; U31.10 145.59,57.15 C70.1 ; 140.85,55.61 140.85,57.49
  Top w0.4: 96.7,33.27 96.7,31.75 ; U3.28 93.11,75.98
  Top w0.5: v1(112.58,80.01) 104.19,80.01 100.64,76.45 95.05,76.45 94.58,75.98 U3.28 93.3,75.98 ; C14.1 v1(80.19,88.26) 79.53,88.92 U13.6 ; 49.61,88.8 U11.6 49.81,88.8 v1(50.34,88.26) C13.1 ; v1(92.89,69.85) 92.25,70.48 92.25,74.68 92.51,74.93 92.51,75.69 92.89,76.07 v1(93.14,76.07) ; U21.6 108.11,88.92 v1(108.77,88.26) C36.1 ; U9.6 20.47,88.92 v1(21.14,88.26) C12.1 ; v1(108.77,70.48) 108.77,72.9 v1(109.78,73.91) ; 110.54,68.65 113.14,68.65 120.2,61.59 v1(125.27,61.59) ; 96.7,33.66 105.59,33.66 113.21,26.03 R52.1 ; 150.67,12.06 172.9,12.06 173.53,12.7 v1(173.53,13.97) ; 150.67,12.06 146.86,12.06 v1(137.34,21.59) 115.11,43.81 ; 150.67,12.06 R69.1 ; U26.6 181.13,88.92 v1(181.79,88.26) C50.1 ; C49.1 v1(123.37,88.26) 122.71,88.92 U22.6 ; v1(90.98,45.72) 83.49,45.72 78.28,50.93 R86.1 76,54.48 74.47,56.01 74.47,59.82 75.74,61.09 v1(78.28,61.09) ; U23.6 137.31,88.92 v1(137.97,88.26) C37.1 ; v1(125.91,46.35) 124.64,46.35 121.15,49.85 ; 148.13,57.78 C68.1 C70.1 C67.1 C66.1 v1(136.7,57.78) ; R117.1 v1(151.31,57.15) ; 165.91,74.29 165.91,77.47 ; U24.6 151.92,88.92 v1(152.58,88.26) C48.1 ; U12.6 64.29,88.92 v1(64.95,88.26) C26.1 ; C25.1 v1(35.11,88.26) 34.45,88.92 U10.6 ; 151.31,76.2 151.31,76.83 ; 151.31,76.2 v1(151.31,74.93) ; 151.31,76.2 151.31,77.47 ; C38.1 v1(167.19,88.26) 166.52,88.92 U25.6 ; v1(96.7,40) 99.24,37.47 ; C24.1 v1(94.16,88.26) 93.5,88.92 U14.6 ; R77.1 149.4,27.94 146.48,30.86 R80.1
  Top w1: 96.68,28.94 96.68,30.53 96.7,30.55 96.7,34.92 101.14,39.37 110.67,39.37 v1(122.1,50.8) ; C50.1 183.06,86.36 184.33,85.09 184.33,81.28 180.52,77.47 136.7,77.47 v1(131.62,72.39) ; 96.68,29.19 96.68,26.92
  Bottom w0.35: 92.93,69.8 v1(92.89,69.85)
  Bottom w0.5: 115.75,86.36 86.54,86.36 ; 115.75,86.36 119.56,86.36 ; 115.75,86.36 R115.1 ; 134.8,48.89 134.8,50.8 136.7,52.7 v1(136.7,57.78) ; 134.8,48.89 134.8,46.99 134.16,46.35 v1(125.91,46.35) ; 134.8,48.89 134.8,48.26 ; 119.56,86.36 120.83,86.36 ; 119.56,86.36 151.31,86.36 ; R101.1 134.8,48.26 ; 134.8,48.26 R100.1 ; 20.5,86.36 C25.1 ; C25.1 71.93,86.36 ; C25.1 v1(35.11,88.26) ; 174.17,83.82 174.17,86.36 ; C24.1 v1(94.16,88.26) ; v1(173.53,13.97) R72.1 173.92,15.62 ; R109.1 R105.1 85.27,62.23 84.13,61.09 v1(78.28,61.09) ; v1(64.95,88.26) C26.1 ; C49.1 v1(123.37,88.26) ; 71.93,86.36 82.09,86.36 ; 71.93,86.36 R103.1 ; U28.14 92.93,69.8 ; v1(151.31,74.93) v1(151.31,57.15) ; 86.54,83.82 86.54,86.36 ; 86.54,86.36 76.38,86.36 ; v1(137.34,21.59) 137.34,21.72 v1(146.61,30.99) ; R112.1 159.56,86.36 ; R79.1 13.52,85.72 14.15,86.36 C12.1 v1(21.14,88.26) ; C48.1 v1(152.58,88.26) ; R85.1 110.54,68.45 v1(110.67,68.58) ; R108.1 144.96,86.36 ; C37.1 v1(137.97,88.26) ; C50.1 v1(181.79,88.26) ; 108.74,70.46 110.54,68.65 110.54,67.94 ; 110.54,75.56 110.54,74.68 109.57,73.71 108.68,73.71 U29.14 ; 110.54,75.56 110.54,75.31 ; 110.54,75.56 110.54,78.1 110.67,78.23 ; C14.1 v1(80.19,88.26) ; C13.1 v1(50.34,88.26) ; R114.1 57.33,86.36 ; C60.2 111.94,78.74 112.58,79.38 v1(112.58,80.01) ; R106.1 28.12,86.36 ; C59.2 C61.2 92.89,75.56 ; v1(90.98,45.72) v1(96.7,40) ; R110.1 42.72,86.36 ; R104.1 130.36,86.36 ; R113.1 127.81,68.58 ; v1(108.77,88.26) C36.1 ; C38.1 v1(167.19,88.26)
  Bottom w1: C50.1 C12.1 ; v1(122.1,50.8) 125.27,53.97 v1(125.27,61.59) 125.27,66.04 v1(131.62,72.39)
  vias: v1(100.51,86.36)
+24V_A: length 642.7
  Top w0.5: C1.1 7.8,99.06 7.17,98.42 ; C1.1 11.61,99.06 13.13,97.54 R1.1 C4.1 ; C1.1 10.21,98.3 U1.6 ; R21.1 v1(42.72,97.15) ; v1(68.12,97.15) 66.22,97.15 65.58,97.79 C6.1 ; v1(68.12,97.15) C3.1 ; v1(68.12,97.15) 68.89,96.39 U7.6 ; U2.6 24.95,96.52 v1(24.31,97.15) 23.67,97.79 23.67,99.06 21.14,99.06 ; v1(38.92,97.15) 37.01,97.15 36.37,97.79 C5.1 ; v1(38.92,97.15) C2.1 ; v1(38.92,97.15) 39.42,96.65 U5.6 ; v1(82.73,97.15) 80.83,97.15 80.19,97.79 C21.1 ; v1(82.73,97.15) C18.1 ; v1(82.73,97.15) 83.36,96.52 U8.6 ; R23.1 v1(71.93,97.15) ; U6.6 54.15,96.52 v1(53.52,97.15) ; 86.54,99.06 v1(86.54,97.15) ; R20.1 v1(28.12,97.15) ; v1(53.52,97.15) 51.61,97.15 50.98,97.79 C23.1 ; v1(53.52,97.15) C20.1 ; 57.26,99.06 57.26,98.99 56.93,98.66 ; v1(18.85,113.54) R139.1 ; v1(57.33,97.15) R22.1
  Top w1: 18.59,149.86 18.59,149.22 ; 89.08,144.14 91.62,144.14 94.16,141.6 94.16,132.71 93.78,132.33 v1(93.78,105.41) ; 89.08,144.14 v1(88.45,144.14) ; 89.08,144.14 v1(87.17,144.14) ; 46.66,149.86 46.66,149.73 ; v1(79.55,105.41) 79.55,141.6 77.65,143.51 v1(73.84,143.51) 75.74,143.51 ; v1(61.77,142.88) 63.68,142.88 64.95,141.6 v1(64.95,105.41) ; v1(20.5,142.88) 21.14,142.24 v1(21.14,105.41) ; v1(50.34,105.41) 50.34,141.6 49.08,142.88 v1(47.8,142.88) v1(46.53,142.88) ; v1(60.5,142.88) 62.41,142.88 ; v1(35.74,105.41) 35.74,140.97 v1(35.11,141.6) v1(33.83,142.88)
  Top w1.5: C58.1 38.92,32.38
  Top w2: 17.07,105.41 9.7,105.41 7.17,102.87 7.17,72.39 29.07,50.48 34.79,50.48 40.82,44.45 40.82,34.92 36.81,30.91 Q17.3
  Bottom w0.5: 77.02,105.41 77.02,98.42 75.74,97.15 v1(68.12,97.15) ; 19.09,113.54 v1(21.14,113.54) ; v1(24.31,97.15) 31.93,97.15 33.2,98.42 33.2,104.77 ; v1(53.52,97.15) v1(57.33,97.15) 61.14,97.15 62.41,98.42 62.41,104.77 63.05,105.41 ; 90.98,105.41 91.62,104.77 91.62,98.42 90.35,97.15 v1(86.54,97.15) v1(82.73,97.15) ; v1(38.92,97.15) 46.53,97.15 47.8,98.42 47.8,104.77 48.44,105.41 ; 18.59,146.69 17.96,146.05
  Bottom w1: v1(35.11,141.6) v1(33.83,142.88) 32.02,144.69 D3.1 32.56,146.59 J2.1 ; J3.1 45.9,146.59 D4.1 45.36,144.05 v1(46.53,142.88) v1(47.8,142.88) ; D7.1 85.9,146.59 J6.1 ; D7.1 85.36,145.95 v1(87.17,144.14) v1(88.45,144.14) ; D7.1 85.36,145.32 ; 59.87,143.51 59.55,143.83 ; 59.55,143.83 58.7,144.69 D5.1 59.23,146.59 J4.1 ; 59.55,143.83 v1(60.5,142.88) v1(61.77,142.88) ; J1.1 19.23,146.59 D2.1 18.69,144.69 v1(20.5,142.88) 21.14,142.24 v1(21.14,141.6) ; v1(75.11,143.51) 72.57,143.51 72.03,144.05 D6.1 72.57,146.59 J5.1
  Bottom w2: 94.16,105.41 20.5,105.41 ; v1(21.14,105.41) 16.31,105.41
  vias: v1(16.05,106.04) v1(16.05,104.77) v1(17.33,106.04) v1(17.33,104.77) v1(31.55,105.66) v1(46.28,105.66) v1(60.76,105.66) v1(75.49,105.66) v1(89.97,105.66)
